# Altium PCB Control Levitador2.PcbDoc (continued)
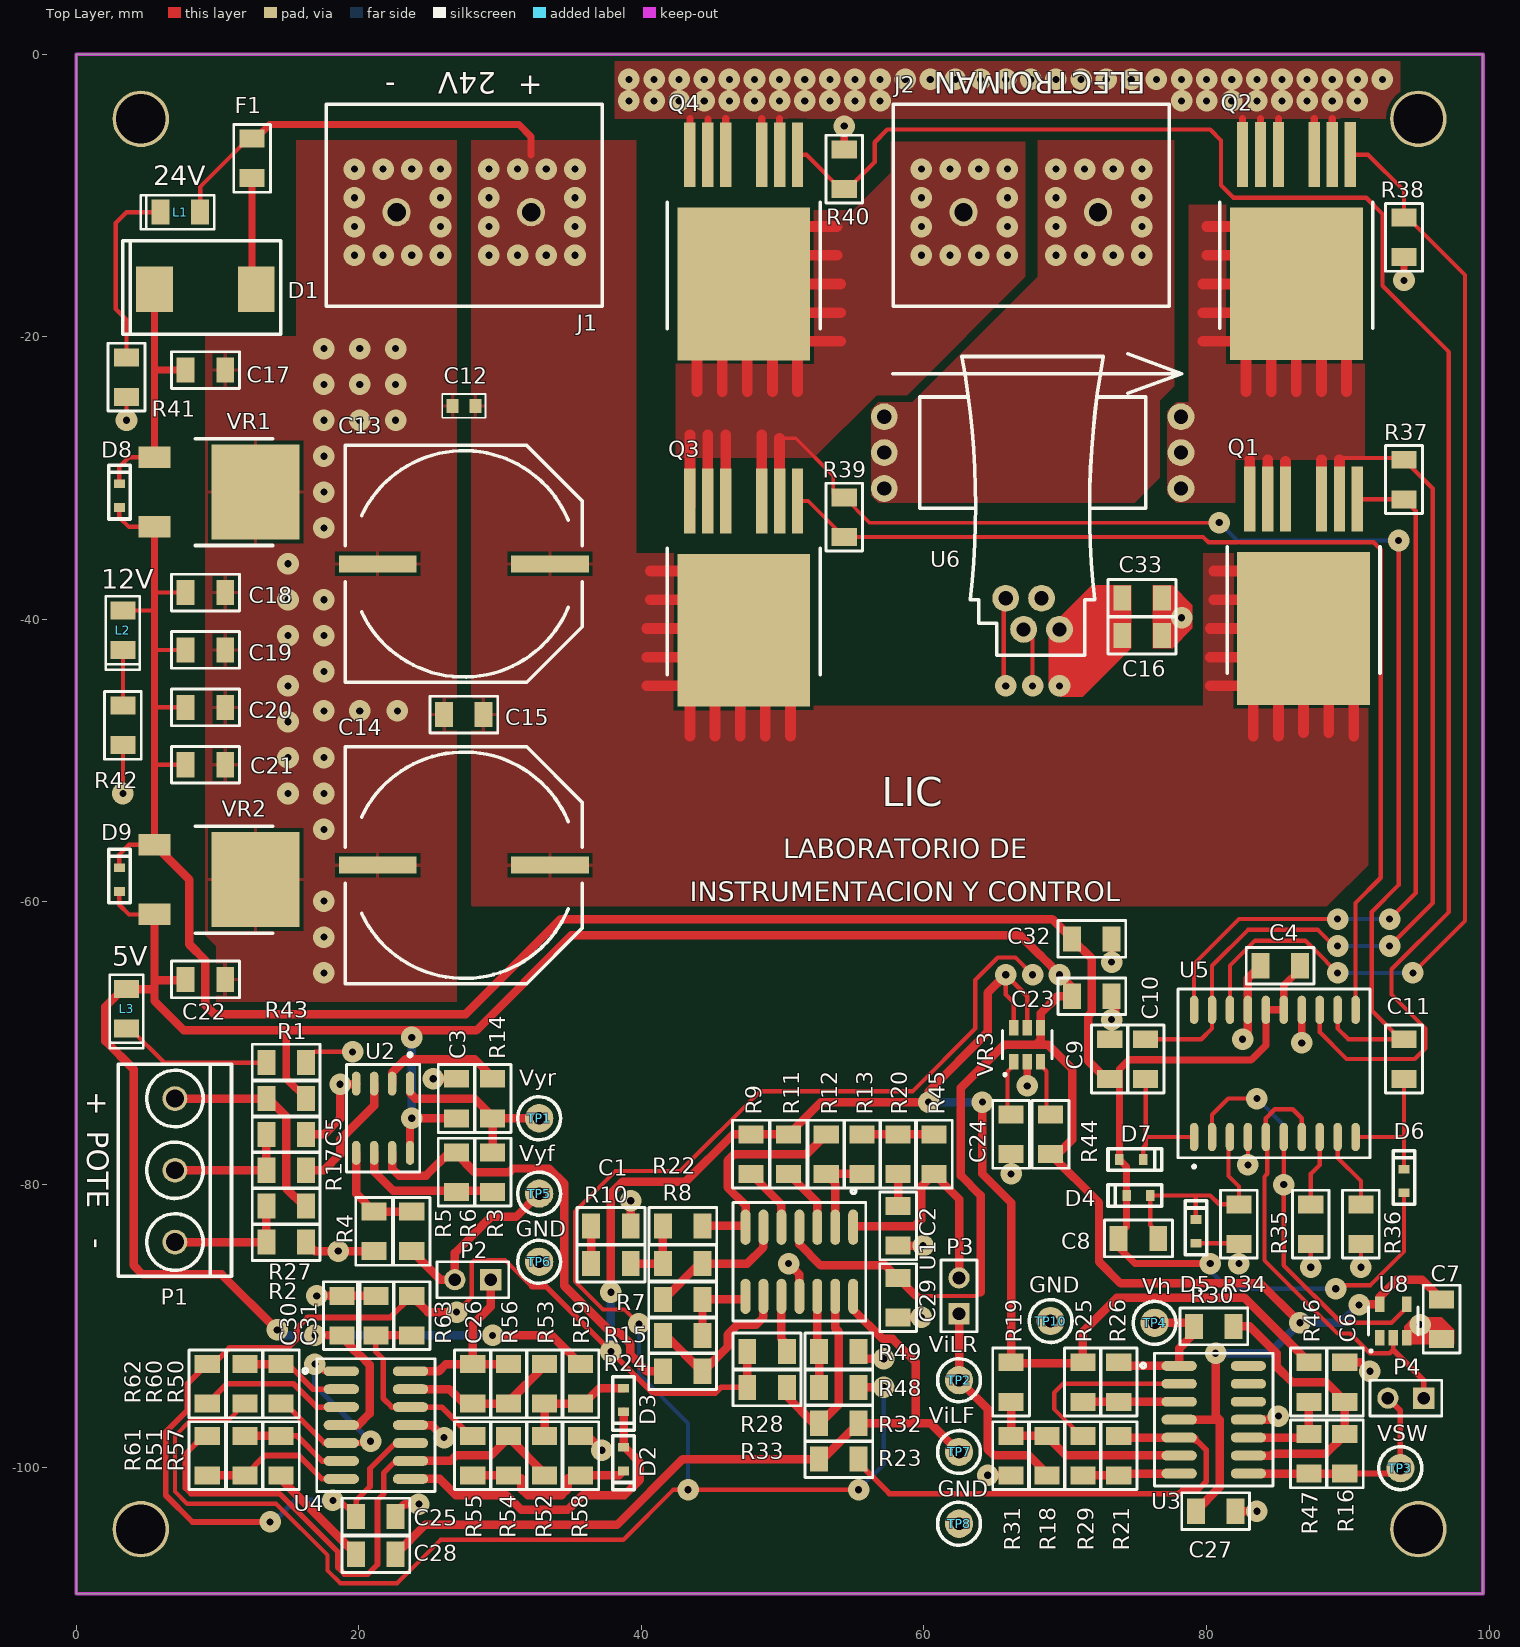
[diagram p0: Top Layer view]
## Part data
C1 C2 C3 C4 C5 C6 C7 C8 C9 C10 C11 C15 C16 C23 C24 C25 C26 C27 C28 C29 C30 C31 C32 C33: library part C1206, "Capacitor Chip 1206", Dielectric=NP0, Voltage=50V, LatestRevisionDate=26/08/2013, LatestRevisionNote="IPC-7351 Footprint Added.", PackageDescription="Chip Capacitor", PackageReference=1206, Published=8-Jun-2000, Publisher="Altium Limited", Supplier 1=Digi-Key
C12 C17 C21: library part C1206, "Capacitor Chip 1206", Dielectric=NP0, Voltage=35V, LatestRevisionDate=26/08/2013, LatestRevisionNote="IPC-7351 Footprint Added.", PackageDescription="Chip Capacitor", PackageReference=1206, Published=8-Jun-2000, Publisher="Altium Limited", Supplier 1=Digi-Key
C13 C14: "Polarized Capacitor (Radial)", LatestRevisionDate=17-Jul-2002, LatestRevisionNote="Re-released for DXP Platform.", PackageReference=RB7.6-15, Published=8-Jun-2000, Publisher="Altium Limited"
C18 C19 C20: library part C1206, "Capacitor Chip 1206", Dielectric=NP0, Voltage=16V, LatestRevisionDate=26/08/2013, LatestRevisionNote="IPC-7351 Footprint Added.", PackageDescription="Chip Capacitor", PackageReference=1206, Published=8-Jun-2000, Publisher="Altium Limited", Supplier 1=Digi-Key
C22: library part C1206, "Capacitor Chip 1206", Dielectric=NP0, Voltage=6.3V, LatestRevisionDate=26/08/2013, LatestRevisionNote="IPC-7351 Footprint Added.", PackageDescription="Chip Capacitor", PackageReference=1206, Published=8-Jun-2000, Publisher="Altium Limited", Supplier 1=Digi-Key
D1 D2 D3 D4 D5 D6 D7 D8 D9: library part "Diode 10TQ035", "Schottky Rectifier", PackageDocument=Feb-1998, ComponentLink1Description="Manufacturer Link", ComponentLink1URL=http://www.irf.com/, ComponentLink2Description=Datasheet, ComponentLink2URL=http://www.irf.com/product-info/datasheets/data/10tq.pdf, DatasheetDocument=PD-2.057B, LatestRevisionDate=17-Jul-2002, LatestRevisionNote="Re-released for DXP Platform.", Note="Terminal 2 is the TAB and is electrically connected to the cathode", PackageReference=TO-220AC, Published=8-Jun-2000, Publisher="Altium Limited"
F1: "Fuse", LatestRevisionDate=17-Jul-2002, LatestRevisionNote="Re-released for DXP Platform.", PackageReference=PIN-W2/E2.8, Published=8-Jun-2000, Publisher="Altium Limited"
J1 J2 P2 P3 P4: "Header, 2-Pin", LatestRevisionDate=17-Jul-2002, LatestRevisionNote="Re-released for DXP Platform.", Publisher="Altium Limited"
L1 L2 L3: "Typical RED GaAs LED", LatestRevisionDate=08-Jul-2005, LatestRevisionNote="Mech Layer 1 removed.", PackageReference=LED-1, Published=8-Jun-2000, Publisher="Altium Limited"
P1: "Potentiometer", LatestRevisionDate=17-Jul-2002, LatestRevisionNote="Re-released for DXP Platform.", PackageReference=VR5, Published=8-Jun-2000, Publisher="Altium Limited", Set Position=0.5, Sim Note="Enter the Resistance value and the set point into parameter fields."
Q1 Q2 Q3 Q4: library part IRF630S, "HEXFET N-Channel Power MOSFET", ComponentLink1Description="Manufacturer Link", ComponentLink1URL=http://www.irf.com/, ComponentLink2Description=Datasheet, ComponentLink2URL=http://www.irf.com/product-info/datasheets/data/irf630s.pdf, DatasheetVersion=PD-9.901, LatestRevisionDate=17-Jul-2002, LatestRevisionNote="Re-released for DXP Platform.", PackageDescription="D2-PAK/TO-263-AB; 3 Leads (1 Cropped); Body 15.5 (inc. leads) x 10.5 mm (LxW max)", PackageReference=PG-TO263-7-3, Published=8-Jun-2000, Publisher="Altium Limited"
R1 R2 R3 R4 R5 R6 R7 R8 R9 R10 R11 R12 R13 R14 R15 R16 R17 R18 R19 R20 R21 R22 R23 R24 R25 R26 R27 R28 R29 R30 R31 R32 R33 R34 R35 R36 R37 R38 R39 R40 R41 R42 R43 R44 R45 R46 R47 R48 R49 R50 R51 R52 R53 R54 R55 R56 R57 R58 R59 R60 R61 R62 R63: library part R1206, "Resistor Chip; 1/8W;", LatestRevisionDate=26/8/2013, PackageDescription="SMT Chip Resistor", PackageReference=1206, Published=8-Jun-2000, Publisher="Altium Limited", Supplier 1=Digi-Key
TP1 TP2 TP3 TP4 TP5 TP6 TP7 TP8 TP10: library part Tespoint, "Test point"
U1 U2 U3 U4: "Dual Low-Power Operational Amplifier", Code_IPC=SOIC127P600-8, ComponentLink1Description="Manufacturer Link", ComponentLink1URL=http://www.ti.com/, ComponentLink2Description=Datasheet, ComponentLink2URL=http://www-s.ti.com/sc/ds/tl022.pdf, DatasheetVersion=Jul-1988, LatestRevisionDate=13-Apr-2006, LatestRevisionNote="IPC-7351 Footprint Added.", PackageDescription="8-Pin Small Outline Integrated Circuit 1.27 mm Pitch", PackageReference=D008, PackageVersion=Jan-1998, Published=15-Apr-2002, Publisher="Altium Limited"
U5: "INTERSIL, 80V, 2.5A peak, High Frequency Full Bridge FET Driver"
U6: library part HSLR32, "Hall Effect Current Sensor"
U8: "Schmitt-Trigger Inverter", Code_IPC=SOIC127P600-14, ComponentLink1Description="Manufacturer Link", ComponentLink1URL=http://www.ti.com/, ComponentLink2Description=Datasheet, ComponentLink2URL=http://www-s.ti.com/sc/ds/sn74ahc14.pdf, ComponentLink3Description="Packaging Specification", ComponentLink3URL=http://focus.ti.com/lit/ml/mpds177/mpds177.pdf, DatasheetVersion=Jul-1998, LatestRevisionDate=13-Apr-2006, LatestRevisionNote="IPC-7351 Footprint Added.", PackageDescription="14-Pin Small Outline Integrated Circuit 1.27 mm Pitch", PackageReference=D014, PackageVersion=Jan-1998, Published=8-Jun-2000, Publisher="Altium Limited"
VR1 VR2: library part "Volt Reg", "Voltage Regulator", Code_JEDEC=SMD-220, LatestRevisionDate=17-Jul-2002, LatestRevisionNote="Re-released for DXP Platform.", PackageReference=D2PAK, Published=24-Mar-1999, Publisher="Altium Limited"
VR3: library part MAX6070

## Free pads (board coordinates)
  round 4 hole 3.5: 0(4.572,-104.394) 0(4.572,-4.572) 0(94.996,-104.394) 0(94.996,-4.572)

## Via types
v1: diameter 1.524, hole 0.508, Top Layer to Bottom Layer, 201 vias

## Nets (pads, with @x,y where several pads share a name; then routed paths per layer and width w, separated by ;. In a path a pad name is that pad's centre, name@x,y a point inside that pad or via, vN(x,y) a via of type N, cw(c..) or ccw(c..) an arc to the next point about the centre after c; other vN are vias at no path point)
+2.5V: C25.2 R9.1 R11.2 R19.2 R25.2 R28.1 R33.1 R46.2 R62.1 R63.2 U4.10 U6.1 VR3.5 VR3.6 | length 195.7
  Top Layer w0.3: v1(26.924,-89.027) 27.997,-87.954 27.997,-85.541 28.194,-85.344 30.353,-85.344 32.258,-87.249
  Top Layer w0.305: v1(65.786,-44.704) 65.786,-44.45 65.654,-44.318 65.654,-38.636 U6.1 ; VR3.6 66.36,-67.122 65.786,-66.548 v1(65.786,-65.151) 67.31,-66.675 VR3.5
  Top Layer w0.4: v1(13.716,-103.886) 8.225,-103.886 6.335,-101.996 6.335,-97.521 7.874,-95.982 7.874,-94.104 R62.1 9.707,-92.707 10.847,-91.567 14.986,-91.567 15.629,-90.924 15.629,-90.155 16.368,-89.416 22.214,-89.416 R63.2 ; v1(18.161,-102.362) 18.666,-102.362 C25.2 19.809,-102.365 20.795,-101.379 20.795,-100.108 22.605,-98.298 U4.10 ; 32.258,-87.249 33.274,-87.249 v1(37.846,-91.821) 40.789,-94.764 45.233,-94.764 45.636,-94.361 R33.1
  Top Layer w0.6: R63.2 24.895,-89.027 v1(26.924,-89.027) ; v1(37.846,-87.63) 37.846,-80.624 38.679,-79.791 43.145,-79.791 46.485,-76.451 R9.1 R11.2 52.702,-74.168 v1(60.325,-74.168) 60.325,-73.406 64.516,-69.215 64.516,-66.421 v1(65.786,-65.151) ; R33.1 R28.1 ; v1(64.135,-74.168) 64.135,-79.248 66.167,-81.28 R19.2 66.167,-92.707 66.222,-92.652 71.175,-92.652 R25.2 71.247,-90.424 73.66,-88.011 82.68,-88.011 R46.2
  Bottom Layer w0.4: v1(13.716,-103.886) 13.97,-103.886 15.494,-102.362 v1(18.161,-102.362)
  Bottom Layer w0.6: v1(37.846,-91.821) v1(37.846,-87.63) ; v1(60.325,-74.168) v1(64.135,-74.168)
+5.0V: C3.2 C7.2 C16.2 C22.2 C23.2 C27.2 C29.2 C30.2 C33.2 D9.1 L3.1 R1.2 R44.2 R59.1 U1.4 U2.8 U3.4 U4.4 U6.4 U8.5 VR2.3 VR3.4 | length 279.6
  Top Layer w0.3: 59.439,-87.884 63.754,-87.884 64.008,-87.63
  Top Layer w0.305: D9.1 3.048,-60.198 3.734,-60.884 VR2.3
  Top Layer w0.508: 14.859,-69.088 14.859,-72.514 R1.2 ; v1(23.749,-69.596) v1@23.749,-69.088
  Top Layer w0.6: VR2.3 5.537,-65.532 ; C22.2@7.744,-65.532 5.537,-65.532 ; v1(14.224,-90.297) 10.287,-86.36 4.699,-86.36 4.064,-85.725 4.064,-71.845 2.067,-69.848 2.067,-67.402 3.305,-66.164 L3.1 5.537,-66.164 ; v1(16.891,-90.678) 16.894,-90.681 C30.2@18.688,-90.681 ; U4.4 19.955,-97.028 20.766,-96.217 20.766,-92.759 20.08,-92.073 20.006,-92.073 19.563,-91.63 19.563,-91.556 C30.2@18.688,-90.681 ; C30.2 C30.2@18.688,-90.681 ; U2.8 23.622,-75.438 23.746,-75.314 C3.2 ; v1(29.464,-90.678) 33.658,-90.678 R59.1 ; U1.4 51.181,-84.217 52.687,-85.723 57.278,-85.723 C29.2 59.439,-87.884 ; 64.008,-87.63 64.008,-80.772 62.611,-79.375 62.611,-73.152 65.659,-70.104 67.945,-70.104 ; U3.4 80.932,-96.647 ; C27.2 80.932,-101.434 80.932,-96.647 ; v1(80.645,-91.948) 80.645,-96.36 80.932,-96.647 ; v1@86.36,-89.535 83.82,-86.995 73.914,-86.995 72.39,-85.471 72.39,-81.283 R44.2 69.466,-77.854 70.485,-76.835 70.485,-71.805 68.784,-70.104 67.945,-70.104 ; v1(90.805,-88.519) 90.862,-88.462 U8.5 92.268,-87.945 93.472,-86.741 95.253,-86.741 C7.2 ; 5.537,-66.164 5.537,-67.005 7.62,-69.088 14.859,-69.088 23.749,-69.088 28.321,-69.088 35.052,-62.357 66.802,-62.357 68.234,-63.789 68.255,-63.789 69.053,-64.587 69.053,-64.608 v1(69.596,-65.151) 70.482,-66.037 C23.2 69.469,-66.675 68.26,-67.884 VR3.4 68.26,-69.789 67.945,-70.104 ; 5.537,-66.164 5.537,-65.532
  Bottom Layer w0.6: v1(14.224,-90.297) 14.605,-90.678 v1(16.891,-90.678) v1(29.464,-90.678) ; v1(23.749,-75.311) v1(23.749,-69.596) ; v1(80.645,-91.948) 84.455,-91.948 v1(86.614,-89.789) 89.535,-89.789 v1(90.805,-88.519)
  other v1: 69.596,-44.704
+12V: C4.2 C8.1 C9.2 C18.2 C19.2 C20.2 C21.2 C32.2 D4.2 D6.1 D7.1 D8.1 D9.2 L2.1 U5.15 U5.16 VR1.3 VR2.1 | length 187.7
  Top Layer w0.3: D9.2 3.048,-56.642 3.734,-55.956 VR2.1
  Top Layer w0.305: D8.1 3.048,-32.766 3.734,-33.452 VR1.3 ; L2.1@3.302,-39.37 5.537,-39.37 ; 5.537,-50.292 C21.2 ; 5.537,-46.228 C20.2 ; 5.537,-42.164 C19.2 ; 5.537,-38.1 C18.2 ; v1(89.154,-87.376) 89.408,-87.122 91.602,-87.122 93.98,-84.744 D6.1
  Top Layer w0.508: VR2.1 5.537,-50.292 5.537,-46.228 5.537,-42.164 5.537,-39.37 5.537,-38.1 VR1.3 ; v1(80.264,-85.598) 74.93,-85.598 73.784,-84.452 C8.1 73.784,-83.569 74.346,-83.007 D4.2 74.346,-78.74 D7.1 73.838,-71.844 74.508,-71.174 76.876,-71.174 76.898,-71.196 83.16,-71.196 84.201,-70.155 U5.16 ; U5.16@84.201,-67.564 84.273,-67.636 U5.15 ; U5.15@85.471,-67.056 85.47,-65.914 86.611,-64.773 C4.2@86.741,-64.773
  Top Layer w0.6: VR2.1 8.001,-58.42 8.001,-62.992 9.144,-64.135 9.144,-67.31 9.779,-67.945 27.559,-67.945 34.29,-61.214 69.085,-61.214 C32.2 71.882,-64.011 71.882,-67.818 71.628,-68.072 71.628,-71.247 72.901,-72.52 C9.2
  Bottom Layer w0.305: v1(80.264,-85.598) 80.264,-86.106 81.534,-87.376 v1(89.154,-87.376)
+24V: C12.2 C13.1 C14.1 C15.2 F1.1 J1.1 L1.1 Q1.4 Q3.4 | length 94.6
  Top Layer w0.305: L1.1 8.766,-9.395 12.195,-5.966 F1.1
  Top Layer w0.508: F1.1 12.703,-5.966 13.691,-4.978 31.328,-4.978 32.192,-5.842 32.192,-7.112
  Top Layer w0.762: 40.386,-44.704 Q3.4@43.682,-44.704 ; 40.386,-42.672 Q3.4@43.682,-42.672 ; 40.386,-40.64 Q3.4@43.682,-40.64 ; 40.64,-38.608 Q3.4@43.936,-38.608 ; 40.64,-36.576 Q3.4@43.936,-36.576 ; 43.434,-48.26 Q3.4@43.434,-44.964 ; 45.212,-48.26 Q3.4@45.212,-44.964 ; 46.99,-48.26 Q3.4@46.99,-44.964 ; 48.768,-48.26 Q3.4@48.768,-44.964 ; 50.546,-48.26 Q3.4@50.546,-44.964 ; 80.264,-44.704 Q1.4@83.56,-44.704 ; 80.264,-42.672 Q1.4@83.56,-42.672 ; 80.264,-40.64 Q1.4@83.56,-40.64 ; 80.518,-38.608 Q1.4@83.814,-38.608 ; 80.518,-36.576 Q1.4@83.814,-36.576 ; 83.312,-48.26 Q1.4@83.312,-44.964 ; 85.09,-48.26 Q1.4@85.09,-44.964 ; 86.868,-48.006 Q1.4@86.868,-44.71 ; 88.646,-48.006 Q1.4@88.646,-44.71 ; 90.424,-48.26 Q1.4@90.424,-44.964
  other v1: 29.205,-14.224 31.237,-14.224 33.269,-14.224 35.301,-14.224 29.205,-12.192 35.301,-12.192 29.205,-10.16 35.301,-10.16 29.205,-8.128 31.237,-8.128 33.269,-8.128 35.301,-8.128
GND: C1.1 C2.1 C3.1 C4.1 C5.1 C6.1 C7.1 C9.1 C12.1 C13.2 C14.2 C15.1 C16.1 C17.1 C18.1 C19.1 C20.1 C21.1 C22.1 C23.1 C24.1 C25.1 C27.1 C29.1 C30.1 C31.1 C32.1 C33.1 D5.1 J1.2 pad.0@4.572,-4.572 Q2.2 Q2.3 Q2.5 Q2.6 Q2.7 Q4.2 Q4.3 Q4.5 Q4.6 Q4.7 R2.1 R4.1 R31.1 R34.2 R35.1 R36.1 R38.2 R40.1 R41.1 R42.2 R43.1 R49.1 R58.1 TP6.1 TP8.1 TP10.1 U1.11 U2.4 U3.11 U4.11 U5.4 U5.14 U5.17 U6.3 U8.3 VR1.4 VR2.4 VR3.2 | length 102.6
  Top Layer w0.305: v1(3.302,-52.324) R42.2 ; v1(3.556,-25.908) R41.1 ; 16.894,-70.612 v1(19.558,-70.612) ; D5.1 R34.2@82.242,-84.15 ; v1(82.296,-85.598) R34.2 ; v1(82.931,-78.613) U5.4 ; v1(87.376,-85.852) R35.1 ; v1(90.932,-85.852) R36.1
  Top Layer w0.508: Q4.7@43.434,-7.106 43.434,-4.552 ; Q4.6@44.704,-7.106 44.704,-4.572 ; Q4.5@45.974,-7.106 45.974,-4.552 ; Q4.3@48.514,-7.106 48.514,-4.552 ; Q4.2@49.784,-7.106 49.784,-4.552 ; R40.1 v1(54.356,-5.08) ; v1(67.31,-73.025) VR3.2 ; Q2.7 82.55,-4.552 ; Q2.6 83.82,-4.552 ; Q2.5 85.09,-4.552 ; v1(86.741,-69.977) U5.14 ; Q2.3 87.63,-4.552 ; Q2.2 88.9,-4.552 ; v1(93.98,-16.002) R38.2
  Top Layer w0.6: R2.1 16.894,-84.709 v1(18.542,-84.709) 18.545,-84.712 R4.1 ; C5.1 17.555,-76.454 18.669,-75.34 v1(18.669,-72.898) 19.775,-72.898 U2.4 ; v1(17.018,-87.884) 17.021,-87.881 C30.1 C31.1 ; C25.1 22.609,-103.248 23.241,-102.616 v1(24.257,-102.616) ; U4.11 25.146,-97.028 v1(26.035,-97.917) ; v1(25.273,-72.517) 25.276,-72.514 C3.1 ; R58.1 36.192,-97.787 v1(37.211,-98.806) ; v1(39.243,-81.153) 39.246,-81.156 C1.1 ; v1(50.419,-85.598) 51.181,-86.36 U1.11 ; R49.1 55.883,-92.329 v1(57.15,-92.329) ; C29.1 59.814,-89.411 v1(59.817,-89.408) ; C2.1 59.941,-84.331 v1(59.944,-84.328) ; v1(64.516,-100.584) 64.519,-100.587 R31.1 ; v1(73.279,-68.326) 73.533,-68.072 73.533,-66.926 C23.1 ; v1(73.279,-64.262) 73.279,-62.614 C32.1 ; C27.1 v1(83.566,-103.124) ; v1(82.55,-69.723) 82.931,-69.342 U5.17 82.931,-65.402 C4.1 ; U3.11 84.836,-96.647 v1(85.09,-96.393) ; C6.1 90.913,-92.58 91.551,-93.218 v1(91.567,-93.218) ; U8.3@94.3,-90.862 95.123,-90.039 v1(95.123,-89.916)
  Bottom Layer w0.305: v1@19.304,-70.612 v1(19.558,-70.612)
  other v1: 66.167,-79.248 17.526,-65.024 17.526,-62.484 17.526,-59.944 17.526,-54.864 14.986,-52.324 17.526,-52.324 14.986,-49.784 17.526,-49.784 14.986,-47.244 17.526,-46.482 20.066,-46.482 22.733,-46.482 14.986,-44.704 17.526,-43.688 14.986,-41.148 17.526,-41.148 78.232,-39.878 14.986,-38.608 17.526,-38.608 14.986,-36.068 17.526,-33.528 17.526,-30.988 17.526,-28.448 17.526,-25.908 20.066,-25.908 22.606,-25.908 17.526,-23.368 20.066,-23.368 22.606,-23.368 17.526,-20.828 20.066,-20.828 22.606,-20.828 19.685,-14.224 21.717,-14.224 23.749,-14.224 25.781,-14.224 19.685,-12.192 25.781,-12.192 19.685,-10.16 25.781,-10.16 19.685,-8.128 21.717,-8.128 23.749,-8.128 25.781,-8.128 39.116,-3.302 40.894,-3.302 42.672,-3.302 44.45,-3.302 46.228,-3.302 48.006,-3.302 49.784,-3.302 51.562,-3.302 53.34,-3.302 55.118,-3.302 56.896,-3.302 78.232,-3.302 80.01,-3.302 81.788,-3.302 83.566,-3.302 85.344,-3.302 87.122,-3.302 88.9,-3.302 90.678,-3.302 39.116,-1.778 40.894,-1.778 42.672,-1.778 44.45,-1.778 46.228,-1.778 48.006,-1.778 49.784,-1.778 51.562,-1.778 53.34,-1.778 55.118,-1.778 56.896,-1.778 58.674,-1.778 60.452,-1.778 62.23,-1.778 64.008,-1.778 65.786,-1.778 67.564,-1.778 69.342,-1.778 71.12,-1.778 72.898,-1.778 74.676,-1.778 76.454,-1.778 78.232,-1.778 80.01,-1.778 81.788,-1.778 83.566,-1.778 85.344,-1.778 87.122,-1.778 88.9,-1.778 90.678,-1.778 92.456,-1.778
NetC1_2: C1.2 R10.1 | length 2.7
  Top Layer w0.6: R10.1 C1.2
NetC2_2: C2.2 R20.1 | length 2.3
  Top Layer w0.6: C2.2 R20.1
NetC5_2: C5.2 P1.2 R17.2 | length 8.5
  Top Layer w0.6: P1.2@7.493,-78.994 R17.2 C5.2
NetC6_2: C6.2 R16.1 R30.2 U3.9 | length 20.4
  Top Layer w0.6: R30.2 83.058,-90.043 84.975,-91.96 84.975,-92.901 86.062,-93.988 88.452,-93.988 89.789,-95.325 C6.2 R16.1 89.789,-97.715 88.452,-99.052 84.717,-99.052 84.582,-99.187 U3.9
NetC8_2: C8.2 D4.1 D5.2 R34.1 U5.3 | length 16.6
  Top Layer w0.305: C8.2 76.584,-83.442 76.022,-82.88 D4.1 79.248,-80.772 ; D5.2 79.248,-80.772 ; U5.3 81.559,-76.738 81.559,-79.4 82.296,-80.137 R34.1 80.896,-81.404 80.264,-80.772 79.248,-80.772
NetC10_1: C10.1 D7.2 U5.1 | length 9.2
  Top Layer w0.305: D7.2 75.514,-77.394 75.692,-77.216 75.692,-76.636 ; C10.1 75.692,-76.636 ; U5.1 75.692,-76.636
NetC10_2: C10.2 Q1.2 Q1.3 Q1.5 Q1.6 Q1.7 Q2.4 R37.2 U5.19 U6.5 U6.6 U6.7 | length 114.2
  Top Layer w0.305: C10.2 79.632,-69.72 80.391,-68.961 U5.19 80.391,-64.516 82.931,-61.976 87.884,-61.976 89.027,-63.119 v1(89.281,-63.119) ; 89.408,-28.696 89.529,-28.575 93.856,-28.575 R37.2 96.012,-30.731 96.012,-60.071 v1(92.964,-63.119)
  Top Layer w0.762: 79.756,-20.32 Q2.4@83.052,-20.32 ; 79.756,-18.288 Q2.4@83.052,-18.288 ; 79.756,-16.256 Q2.4@83.052,-16.256 ; 80.01,-14.224 Q2.4@83.306,-14.224 ; 80.01,-12.192 Q2.4@83.306,-12.192 ; 82.804,-23.876 Q2.4@82.804,-20.58 ; Q1.7@83.058,-31.992 Q1.7 83.058,-28.696 ; Q1.6@84.328,-31.992 Q1.6 84.328,-28.696 ; 84.582,-23.876 Q2.4@84.582,-20.58 ; Q1.5@85.598,-32.119 Q1.5 85.598,-28.823 ; 86.36,-23.876 Q2.4@86.36,-20.58 ; Q1.3@88.138,-31.992 Q1.3 88.138,-28.696 ; 88.138,-23.876 Q2.4@88.138,-20.58 ; Q1.2@89.408,-31.992 Q1.2 89.408,-28.696 ; 89.916,-23.876 Q2.4@89.916,-20.58
  Bottom Layer w0.305: v1(89.281,-63.119) v1(92.964,-63.119)
NetC11_1: C11.1 D6.2 U5.10 | length 9.8
  Top Layer w0.305: U5.10 93.98,-76.636 ; D6.2 93.98,-76.636 ; C11.1 93.98,-76.636
NetC11_2: C11.2 J2.2 Q3.2 Q3.3 Q3.5 Q3.6 Q3.7 Q4.4 R39.1 U5.12 | length 148.5
  Top Layer w0.254: 49.784,-27.178 50.927,-27.178 53.594,-29.845 53.594,-31.115 53.845,-31.366 R39.1 56.137,-33.147 v1(80.899,-33.147)
  Top Layer w0.305: U5.12 89.281,-68.961 90.04,-69.72 C11.2@93.723,-69.72 ; v1(93.599,-34.417) 93.599,-58.801 91.694,-60.706 91.694,-67.691 C11.2@93.723,-69.72 ; C11.2 C11.2@93.723,-69.72
  Top Layer w0.762: Q3.7@43.434,-31.992 Q3.7 43.434,-26.924 ; 43.942,-23.876 Q4.4@43.942,-20.58 ; Q3.6@44.704,-31.992 Q3.6 44.704,-26.924 ; 45.72,-23.876 Q4.4@45.72,-20.58 ; Q3.5@45.974,-31.992 Q3.5 45.974,-26.924 ; 47.498,-23.876 Q4.4@47.498,-20.58 ; Q3.3@48.514,-31.49 48.514,-26.924 ; 49.276,-23.876 Q4.4@49.276,-20.58 ; Q3.2@49.784,-31.992 Q3.2 49.784,-27.178 ; Q4.4@50.552,-14.224 53.848,-14.224 ; Q4.4@50.552,-12.192 53.848,-12.192 ; Q4.4@50.806,-20.32 54.102,-20.32 ; Q4.4@50.806,-18.288 54.102,-18.288 ; Q4.4@50.806,-16.256 54.102,-16.256 ; 51.054,-23.876 Q4.4@51.054,-20.58
  Bottom Layer w0.3: v1(80.899,-33.147) 82.296,-34.544 82.423,-34.417 v1(93.599,-34.417)
  other v1: 59.817,-14.224 61.849,-14.224 63.881,-14.224 65.913,-14.224 59.817,-12.192 65.913,-12.192 59.817,-10.16 65.913,-10.16 59.817,-8.128 61.849,-8.128 63.881,-8.128 65.913,-8.128
NetC17_2: C17.2 D1.2 D8.2 VR1.1 | length 19
  Top Layer w0.305: D8.2 3.048,-29.21 3.734,-28.524 VR1.1
  Top Layer w0.508: VR1.1 5.537,-22.352 ; D1.2@5.537,-15.748 D1.2 5.537,-22.352 ; C17.2 5.537,-22.352
NetC24_2: C24.2 VR3.1 | length 4
  Top Layer w0.305: C24.2 65.913,-74.8 65.913,-72.009 66.36,-71.562 VR3.1
NetC26_1: C26.1 P2.1 R56.1 U4.14 | length 13.7
  Top Layer w0.6: U4.14 25.654,-93.218 26.165,-92.707 C26.1 ; P2.1 29.337,-88.646 28.067,-89.916 C26.1 ; R56.1 C26.1
NetC26_2: C26.2 R53.1 R56.2 U4.13 | length 11.2
  Top Layer w0.6: U4.13 26.416,-94.488 27.435,-95.507 C26.2 R56.2 30.607,-95.377 33.147,-92.837 R53.1
NetC28_2: C28.2 R57.1 | length 7.8
  Top Layer w0.6: R57.1 14.478,-100.841 C28.2
NetC31_2: C31.2 R55.1 R63.1 U4.12 | length 14.6
  Top Layer w0.4: C31.2 21.209,-91.849 21.723,-92.363 21.723,-95.129 22.352,-95.758 U4.12 25.865,-95.758 27.894,-97.787 R55.1
  Top Layer w0.6: C31.2 R63.1
NetD1_1: D1.1 F1.2 | length 7.1
  Top Layer w0.508: F1.2 12.446,-15.443 D1.1@12.751,-15.748
NetD2_1: D2.1 D3.2 U4.8 | length 23.3
  Top Layer w0.6: U4.8 25.723,-100.838 26.864,-101.979 30.449,-101.979 31.506,-103.036 34.788,-103.036 35.845,-101.979 38.804,-101.979 39.886,-100.898 39.886,-99.661 D2.1@38.828,-98.603 ; D2.1 D3.2
NetJ2_1: J2.1 U6.8 U6.9 U6.10
  other v1: 69.337,-14.224 71.369,-14.224 73.401,-14.224 75.433,-14.224 69.337,-12.192 75.433,-12.192 69.337,-10.16 75.433,-10.16 69.337,-8.128 71.369,-8.128 73.401,-8.128 75.433,-8.128
NetL1_2: L1.2 R41.2 | length 13.3
  Top Layer w0.305: R41.2 3.556,-18.796 2.794,-18.034 2.794,-11.938 3.556,-11.176 L1.2
NetL2_2: L2.2 R42.1 | length 3.9
  Top Layer w0.305: R42.1 L2.2@3.302,-42.17
NetL3_2: L3.2 R43.2 | length 10.9
  Top Layer w0.305: L3.2 3.813,-68.964 6.223,-71.374 R43.2
NetP1_1: P1.1 R1.1 R27.2 | length 14.9
  Top Layer w0.6: P1.1@7.493,-73.914 R1.1 13.589,-73.914 14.867,-75.192 14.867,-80.272 16.129,-81.534 R27.2
NetP1_3: P1.3 R2.2 R27.1 | length 8.5
  Top Layer w0.6: P1.3@7.493,-84.074 R2.2 R27.1
NetP2_2: P2.2 R5.1 TP5.1 | length 13.8
  Top Layer w0.6: R5.1 25.778,-86.741 P2.2 ; P2.2@26.797,-87.091 P2.2 ; TP5.1 31.115,-82.296 29.337,-82.296 26.797,-84.836 P2.2
NetP3_1: P3.1 R18.2 TP2.1 | length 15.5
  Top Layer w0.6: P3.1 TP2.1 64.521,-95.89 64.521,-98.736 64.964,-99.179 67.429,-99.179 68.707,-100.457 R18.2
NetP3_2: P3.2 R45.2 U1.1 | length 16.7
  Top Layer w0.6: U1.1 55.073,-82.939 59.353,-82.939 59.812,-82.48 59.812,-80.145 R45.2 62.484,-81.029 P3.2
NetP4_1: P4.1 U5.5 U5.7 U8.2 | length 31.7
  Top Layer w0.305: U5.7 86.741,-75.311 86.106,-74.676 84.836,-74.676 84.201,-75.311 U5.5 84.303,-76.738 84.303,-79.239 84.099,-79.442 84.099,-85.369 89.281,-90.551 90.17,-90.551 91.567,-91.948 92.964,-91.948 93.218,-91.694 U8.2
  Top Layer w0.4: 93.218,-91.716 95.377,-93.875 P4.1
NetP4_2: P4.2 R16.2 R47.1 TP3.1 U3.8 | length 16.2
  Top Layer w0.4: R16.2 93.342,-100.46 TP3.1 93.726,-96.012 P4.2
  Top Layer w0.6: U3.8 82.971,-100.46 R47.1 R16.2
NetQ1_1: Q1.1 R37.1 U5.20 | length 52.5
  Top Layer w0.305: U5.20 79.121,-64.389 82.296,-61.214 v1(89.281,-61.214) ; Q1.1 90.681,-31.499 R37.1 94.813,-32.332 94.813,-59.365 v1(92.964,-61.214)
  Bottom Layer w0.305: v1(89.281,-61.214) v1(92.964,-61.214)
NetQ2_1: Q2.1 R38.1 U5.18 | length 81.5
  Top Layer w0.305: U5.18 81.661,-64.508 83.431,-62.738 86.995,-62.738 87.432,-63.175 87.439,-63.175 87.704,-63.44 87.704,-63.447 v1(89.281,-65.024) ; Q2.1 91.434,-7.106 93.98,-9.652 R38.1 94.231,-11.554 98.298,-15.621 98.298,-61.341 v1(94.615,-65.024)
  Bottom Layer w0.305: v1(89.281,-65.024) v1(94.615,-65.024)
NetQ3_1: Q3.1 R39.2 U5.11 | length 76
  Top Layer w0.254: Q3.1 51.813,-31.623 R39.2
  Top Layer w0.3: R39.2 79.759,-34.166 80.137,-34.544 91.821,-34.544 92.329,-35.052
  Top Layer w0.305: U5.11 90.551,-60.071 92.329,-58.293 92.329,-35.052
NetQ4_1: Q4.1 R40.2 U5.13 | length 123.2
  Top Layer w0.3: Q4.1 51.689,-7.112 54.105,-9.528 R40.2 54.607,-9.528 56.515,-7.62 56.515,-6.223 57.404,-5.334 80.264,-5.334 81.026,-6.096 81.026,-9.271 81.915,-10.16 91.313,-10.16
  Top Layer w0.305: U5.13 88.011,-69.215 89.916,-71.12 94.744,-71.12 95.504,-70.36 95.504,-68.961 93.091,-66.548 93.091,-64.77 97.155,-60.706 97.155,-21.082 92.456,-16.383 92.456,-11.303 91.313,-10.16
NetR3_1: R3.1 R6.1 U2.6 | length 10
  Top Layer w0.6: U2.6 21.082,-79.092 22.422,-80.432 R3.1@29.172,-80.432
NetR3_2: R3.2 R14.1 TP1.1 U2.1 | length 13
  Top Layer w0.6: U2.1 23.622,-73.533 24.003,-73.914 28.194,-73.914 29.464,-75.184 R14.1 ; R3.2 R14.1 ; TP1.1 32.763,-75.314 R14.1
NetR4_2: R4.2 R5.2 U2.5 | length 7.3
  Top Layer w0.6: U2.5 19.815,-77.764 19.815,-80.645 R4.2 R5.2
NetR6_2: R6.2 R24.1 U2.7 | length 32.6
  Top Layer w0.6: U2.7 22.352,-78.867 22.86,-79.375 24.765,-79.375 26.419,-77.721 R6.2 26.924,-77.851 28.202,-79.129 30.651,-79.129 30.913,-78.867 33.473,-78.867 34.544,-79.938 34.544,-87.167 37.836,-90.459 38.41,-90.459 39.208,-91.257 39.208,-92.052 40.374,-93.218 R24.1
NetR7_1: R7.1 R15.2 U1.8 | length 5.7
  Top Layer w0.6: R15.2 R7.1 47.154,-88.138 U1.8
NetR7_2: R7.2 R8.1 U1.6 | length 10.1
  Top Layer w0.6: R7.2 41.581,-88.138 44.121,-85.598 R8.1 47.498,-85.598 48.641,-84.455 U1.6
NetR8_2: R8.2 R10.2 R22.1 | length 4.9
  Top Layer w0.6: R10.2 R8.2 41.526,-82.934 R22.1
NetR9_2: R9.2 U1.5 | length 4.7
  Top Layer w0.6: R9.2 49.911,-81.41 U1.5
NetR11_1: R11.1 U1.3 | length 4.6
  Top Layer w0.6: R11.1 52.451,-81.283 U1.3
NetR12_1: R12.1 R22.2 U1.7 | length 16.1
  Top Layer w0.6: R22.2 U1.7@47.281,-82.931 ; U1.7 U1.7@47.281,-82.931 ; R12.1 51.678,-77.859 46.549,-77.859 46.106,-78.302 46.106,-80.2 47.371,-81.465 47.371,-82.931 U1.7@47.281,-82.931
NetR12_2: R12.2 R13.1 U1.2 | length 6.6
  Top Layer w0.6: U1.2 53.721,-79.886 R12.2 R13.1
NetR13_2: R13.2 R20.2 R45.1 | length 5.1
  Top Layer w0.6: R13.2 R20.2 R45.1
NetR14_2: R14.2 U2.2 | length 8.9
  Top Layer w0.6: U2.2 22.352,-72.086 23.318,-71.12 28.194,-71.12 29.464,-72.39 R14.2
NetR15_1: R15.1 R24.2 U1.9 | length 11.7
  Top Layer w0.6: R15.1 41.731,-90.678 44.271,-93.218 R24.2 44.381,-93.218 46.103,-91.496 46.103,-90.618 46.793,-89.928 47.83,-89.928 47.842,-89.916 48.133,-89.916 48.641,-89.408 U1.9
NetR17_1: R17.1 U2.3 | length 8.9
  Top Layer w0.6: R17.1 17.526,-78.994 18.669,-77.851 18.669,-76.835 21.082,-74.422 U2.3
NetR18_1: R18.1 R19.1 R31.2 U3.6 | length 14.9
  Top Layer w0.6: R19.1 R31.2 R18.1 68.707,-97.842 70.044,-99.179 78.06,-99.179 U3.6
NetR21_1: R21.1 R23.2 U3.5 | length 35.1
  Top Layer w0.4: R23.2@55.246,-99.569 57.556,-101.879 78.033,-101.879 78.335,-101.578 79.435,-101.578 79.975,-101.037 79.975,-98.77 79.385,-98.18 79.248,-98.18 79.248,-97.917 U3.5
  Top Layer w0.6: R21.1 73.917,-97.917 U3.5
NetR21_2: R21.2 R29.1 U3.7 | length 6.9
  Top Layer w0.6: R29.1 R21.2 73.917,-100.457 U3.7
NetR25_1: R25.1 R26.2 U3.3 | length 6.9
  Top Layer w0.6: R25.1@71.247,-95.507 71.377,-95.377 U3.3 U3.3@78.105,-95.377
NetR26_1: R26.1 R30.1 TP4.1 U3.1 | length 10.5
  Top Layer w0.6: R26.1@73.787,-92.707 73.917,-92.837 U3.1 78.068,-91.604 79.121,-90.551 R30.1 78.867,-89.789 TP4.1
NetR28_2: R28.2 U1.10 | length 4.1
  Top Layer w0.6: U1.10 49.911,-90.932 50.295,-91.316 R28.2
NetR29_2: R29.2 U3.2 | length 13.1
  Top Layer w0.3: R29.2 71.117,-97.787 69.215,-95.885 69.215,-94.742 69.85,-94.107 U3.2
NetR32_1: R32.1 R33.2 U1.13 | length 13.4
  Top Layer w0.6: R33.2 50.295,-94.999 52.197,-96.901 R32.1 52.63,-96.901 53.967,-95.564 53.967,-90.416 53.721,-90.17 U1.13
NetR35_2: R35.2 U5.8 | length 5
  Top Layer w0.305: R35.2 87.376,-79.248 88.011,-78.613 U5.8
NetR36_2: R36.2 U5.9 | length 5.5
  Top Layer w0.305: U5.9 89.281,-78.105 90.932,-79.756 R36.2
NetR44_1: R44.1 VR3.3 | length 4.4
  Top Layer w0.305: VR3.3 68.275,-71.319 68.275,-71.577 68.682,-71.984 68.682,-74.778 68.958,-75.054 R44.1 R44.1@69.342,-75.054
NetR46_1: R46.1 R47.2 U3.10 | length 6.7
  Top Layer w0.6: U3.10 86.992,-97.917 R47.2 R46.1
NetR48_1: R48.1 R49.2 U1.12 | length 6.5
  Top Layer w0.6: U1.12 52.451,-91.313 52.575,-91.437 R49.2 R48.1
NetR50_1: R50.1 R60.2 U4.2 | length 7.9
  Top Layer w0.4: R50.1@14.735,-92.707 14.983,-92.707 16.764,-94.488 U4.2
  Top Layer w0.6: R60.2 R50.1 14.478,-92.964 R50.1@14.735,-92.707
NetR50_2: R50.2 U4.1 U4.5 | length 16.7
  Top Layer w0.4: R50.2 14.772,-95.507 17.563,-98.298 U4.5 20.701,-98.298 v1(20.828,-98.171) ; v1(16.891,-92.71) 17.018,-92.71 17.526,-93.218 U4.1
  Bottom Layer w0.4: v1(16.891,-92.71) 16.891,-94.234 v1(20.828,-98.171)
NetR51_1: R51.1 R57.2 U4.6 | length 7.6
  Top Layer w0.4: R57.2 15.618,-97.787 17.399,-99.568 U4.6
  Top Layer w0.6: R51.1 R57.2
NetR51_2: R51.2 R61.1 U4.7 | length 10.8
  Top Layer w0.4: R51.2 13.338,-99.187 15.748,-99.187 17.399,-100.838 U4.7
  Top Layer w0.6: R61.1 R51.2
NetR52_1: R52.1 R54.1 R61.2 U4.9 | length 41.8
  Top Layer w0.4: R61.2 9.02,-97.787 7.725,-99.082 7.725,-101.494 8.11,-101.879 14.385,-101.879 18.517,-106.011 18.517,-107.111 18.975,-107.569 20.643,-107.569 21.317,-106.895 21.317,-102.344 21.752,-101.909 21.752,-100.421 22.605,-99.568 U4.9
  Top Layer w0.6: U4.9 26.491,-99.568 26.88,-99.179 29.345,-99.179 30.607,-97.917 33.147,-100.457 R52.1
NetR62_2: R62.2 U4.3 | length 10.8
  Top Layer w0.4: R62.2 10.671,-94.107 15.367,-94.107 17.018,-95.758 U4.3
NetU5_2: U5.2 U5.6 U8.4 | length 32.3
  Top Layer w0.305: U5.2 80.391,-75.057 81.534,-73.914 v1(83.566,-73.914) ; U5.6 v1(85.471,-80.01) 85.471,-85.725 89.535,-89.789 93.091,-89.789 94.168,-88.712 U8.4
  Bottom Layer w0.305: v1(83.566,-73.914) 85.471,-75.819 v1(85.471,-80.01)
Vilf: C28.1 R23.1 R32.2 TP7.1 U1.14 | length 55.8
  Top Layer w0.6: C28.1 24.687,-104.094 38.273,-104.094 42.926,-99.441 R23.1 52.835,-99.441 R32.2 59.436,-96.901 ; U1.14 54.991,-88.842 57.081,-90.932 57.785,-90.932 59.436,-92.583 59.436,-96.901 ; TP7.1 60.452,-96.901 59.436,-96.901
Vpst: D2.2 R54.2 R55.2 R58.2 | length 12.8
  Top Layer w0.6: R55.2 30.552,-100.587 30.762,-100.797 31.501,-100.797 31.501,-101.536 31.944,-101.979 34.35,-101.979 34.793,-101.536 34.793,-100.797 35.532,-100.797 35.687,-100.642 R58.2 38.427,-100.587 D2.2
Vsns: R48.2 R60.1 U6.2 | length 144.5
  Top Layer w0.3: R60.1 10.798,-96.647 8.128,-96.647 6.985,-97.79 6.985,-101.727 7.85,-102.592 14.136,-102.592 17.78,-106.236 17.78,-107.315 18.684,-108.219 22.722,-108.219 23.694,-107.247 23.694,-107.243 25.786,-105.151 38.711,-105.151 42.262,-101.6 v1(43.307,-101.6) v1(55.372,-101.6) ; v1(39.829,-89.867) 38.804,-88.842 37.28,-88.842 35.294,-86.856 35.294,-81.923 38.176,-79.041 42.752,-79.041 48.387,-73.406 59.182,-73.406 63.627,-68.961 63.627,-65.532 65.22,-63.939 66.479,-63.939 v1(67.691,-65.151) ; U6.2 67.691,-41.339 v1(67.691,-44.704)
  Top Layer w0.6: R48.2 v1(57.15,-94.361)
  Bottom Layer w0.3: v1(39.829,-89.867) 39.829,-93.423 43.307,-96.901 v1(43.307,-101.6) ; v1(55.372,-101.6) 57.15,-99.822 v1(57.15,-94.361)
Vtst: D3.1 R52.2 R53.2 R59.2 | length 8.3
  Top Layer w0.6: R52.2 R53.2 R59.2 35.938,-95.507 37.033,-94.412 D3.1
pads on no net: U3.12 U3.13 U3.14 U8.1

## Polygon pours and split planes (outlines as drawn)
NetC10_2 on Top Layer "COIL-'" (solid, remove dead copper, pour order 19): 77.216,-31.115 77.851,-31.75 82.042,-31.75 82.042,-28.702 91.186,-28.702 91.186,-10.668 78.74,-10.668 78.74,-24.638 77.851,-24.638 77.216,-25.273
+24V on Top Layer "+24" (solid, remove dead copper, pour order 12): 91.44,-35.306 91.44,-57.404 88.526,-60.318 27.94,-60.327 27.94,-6.096 39.624,-6.096 39.624,-35.306 51.816,-35.306 51.816,-46.101 79.756,-46.101 79.756,-35.306
NetJ2_1 on Top Layer "COIL-" (solid, remove dead copper, pour order 21): 77.724,-23.495 76.708,-24.511 76.708,-29.972 74.93,-31.75 56.769,-31.75 56.261,-31.242 56.261,-25.146 56.769,-24.638 59.208,-24.612 68.072,-15.748 68.072,-6.096 77.47,-6.096 77.724,-6.096
GND on Top Layer "Bridge ground " (solid, remove dead copper, pour order 13): 38.1,-4.572 93.726,-4.572 93.726,-0.508 38.1,-0.508
GND on Top Layer "Power Ground" (solid, remove dead copper, pour order 22): 26.924,-6.096 26.924,-67.056 9.906,-67.056 9.906,-63.119 9.144,-62.357 9.144,-19.951 15.565,-19.951 15.565,-6.096
NetC11_2 on Top Layer "COIL+" (solid, remove dead copper, pour order 14): 42.418,-11.032 54.991,-11.032 57.658,-8.382 57.658,-6.206 67.183,-6.206 67.183,-15.748 58.801,-24.13 56.642,-24.13 52.214,-28.558 42.418,-28.558
GND on Bottom Layer "Ground Plane" (solid, remove dead copper, pour order 15): 0,0 99.568,0 99.568,-108.966 0.249,-108.966 0,-108.712
+24V on Bottom Layer "+24" (solid, remove dead copper, pour order 16): 27.681,-6.604 36.571,-6.604 36.571,-15.396 36.452,-15.494 27.8,-15.494
NetC11_2 on Bottom Layer "Coil+" (solid, remove dead copper, pour order 17): 58.293,-6.604 67.183,-6.604 67.183,-15.396 67.064,-15.494 58.412,-15.494
NetJ2_1 on Bottom Layer "COIL-" (solid, remove dead copper, pour order 20): 77.724,-15.494 68.072,-15.494 68.072,-6.604 77.47,-6.604 77.724,-6.604

## Keep-outs
Keep-Out Layer:
  the board outline again, w0.254

## Other copper
Top Layer:
  region net GND: 76.2,-37.592 76.2,-42.037 77.597,-42.037 78.994,-40.64 78.994,-38.989 77.597,-37.592
  region net +5.0V: 69.596,-45.466 68.834,-44.704 68.834,-40.64 71.882,-37.592 74.676,-37.592 74.676,-42.037 71.247,-45.466
  region net GND: 93.98,-91.313 93.98,-90.043 94.615,-89.408 96.647,-89.408 97.536,-90.297 97.536,-91.313

## Silkscreen, mask and mechanical layers (free items; w line width, h text height)
Top Overlay:
  text "24V" at 29.718,-1.27 h1.52 r180
  text "ELECTROIMAN" at 75.692,-1.27 h1.52 r180
  text "-" at 22.606,-1.524 h1.52 r180
  text "+" at 33.02,-1.524 h1.52 r180
  text "24V" at 5.461,-9.271 h1.4
  text "12V" at 1.778,-37.846 h1.4
  text "LIC" at 57.023,-53.213 h2.03
  text "LABORATORIO DE" at 50.038,-56.896 h1.4
  text "INSTRUMENTACION Y CONTROL" at 43.434,-59.944 h1.4
  text "5V" at 2.54,-64.516 h1.4
  text "+" at 0.762,-73.406 h1.52 r270
  text "POTE" at 0.762,-76.2 h1.52 r270
  text "-" at 0.762,-83.82 h1.52 r270
Bottom Overlay:
  lines w0.254: 65.786,-64.135 65.786,-45.847 ; 67.691,-64.135 67.691,-45.847 ; 69.596,-64.135 69.596,-45.847
Mechanical 1:
  the board outline again, w0.254

## Dimensions
0,0 to 0,-108.966 on Mechanical 1
0,0 to 99.568,0 on Mechanical 1